# KiCad board sbc.kicad_pcb (continued)
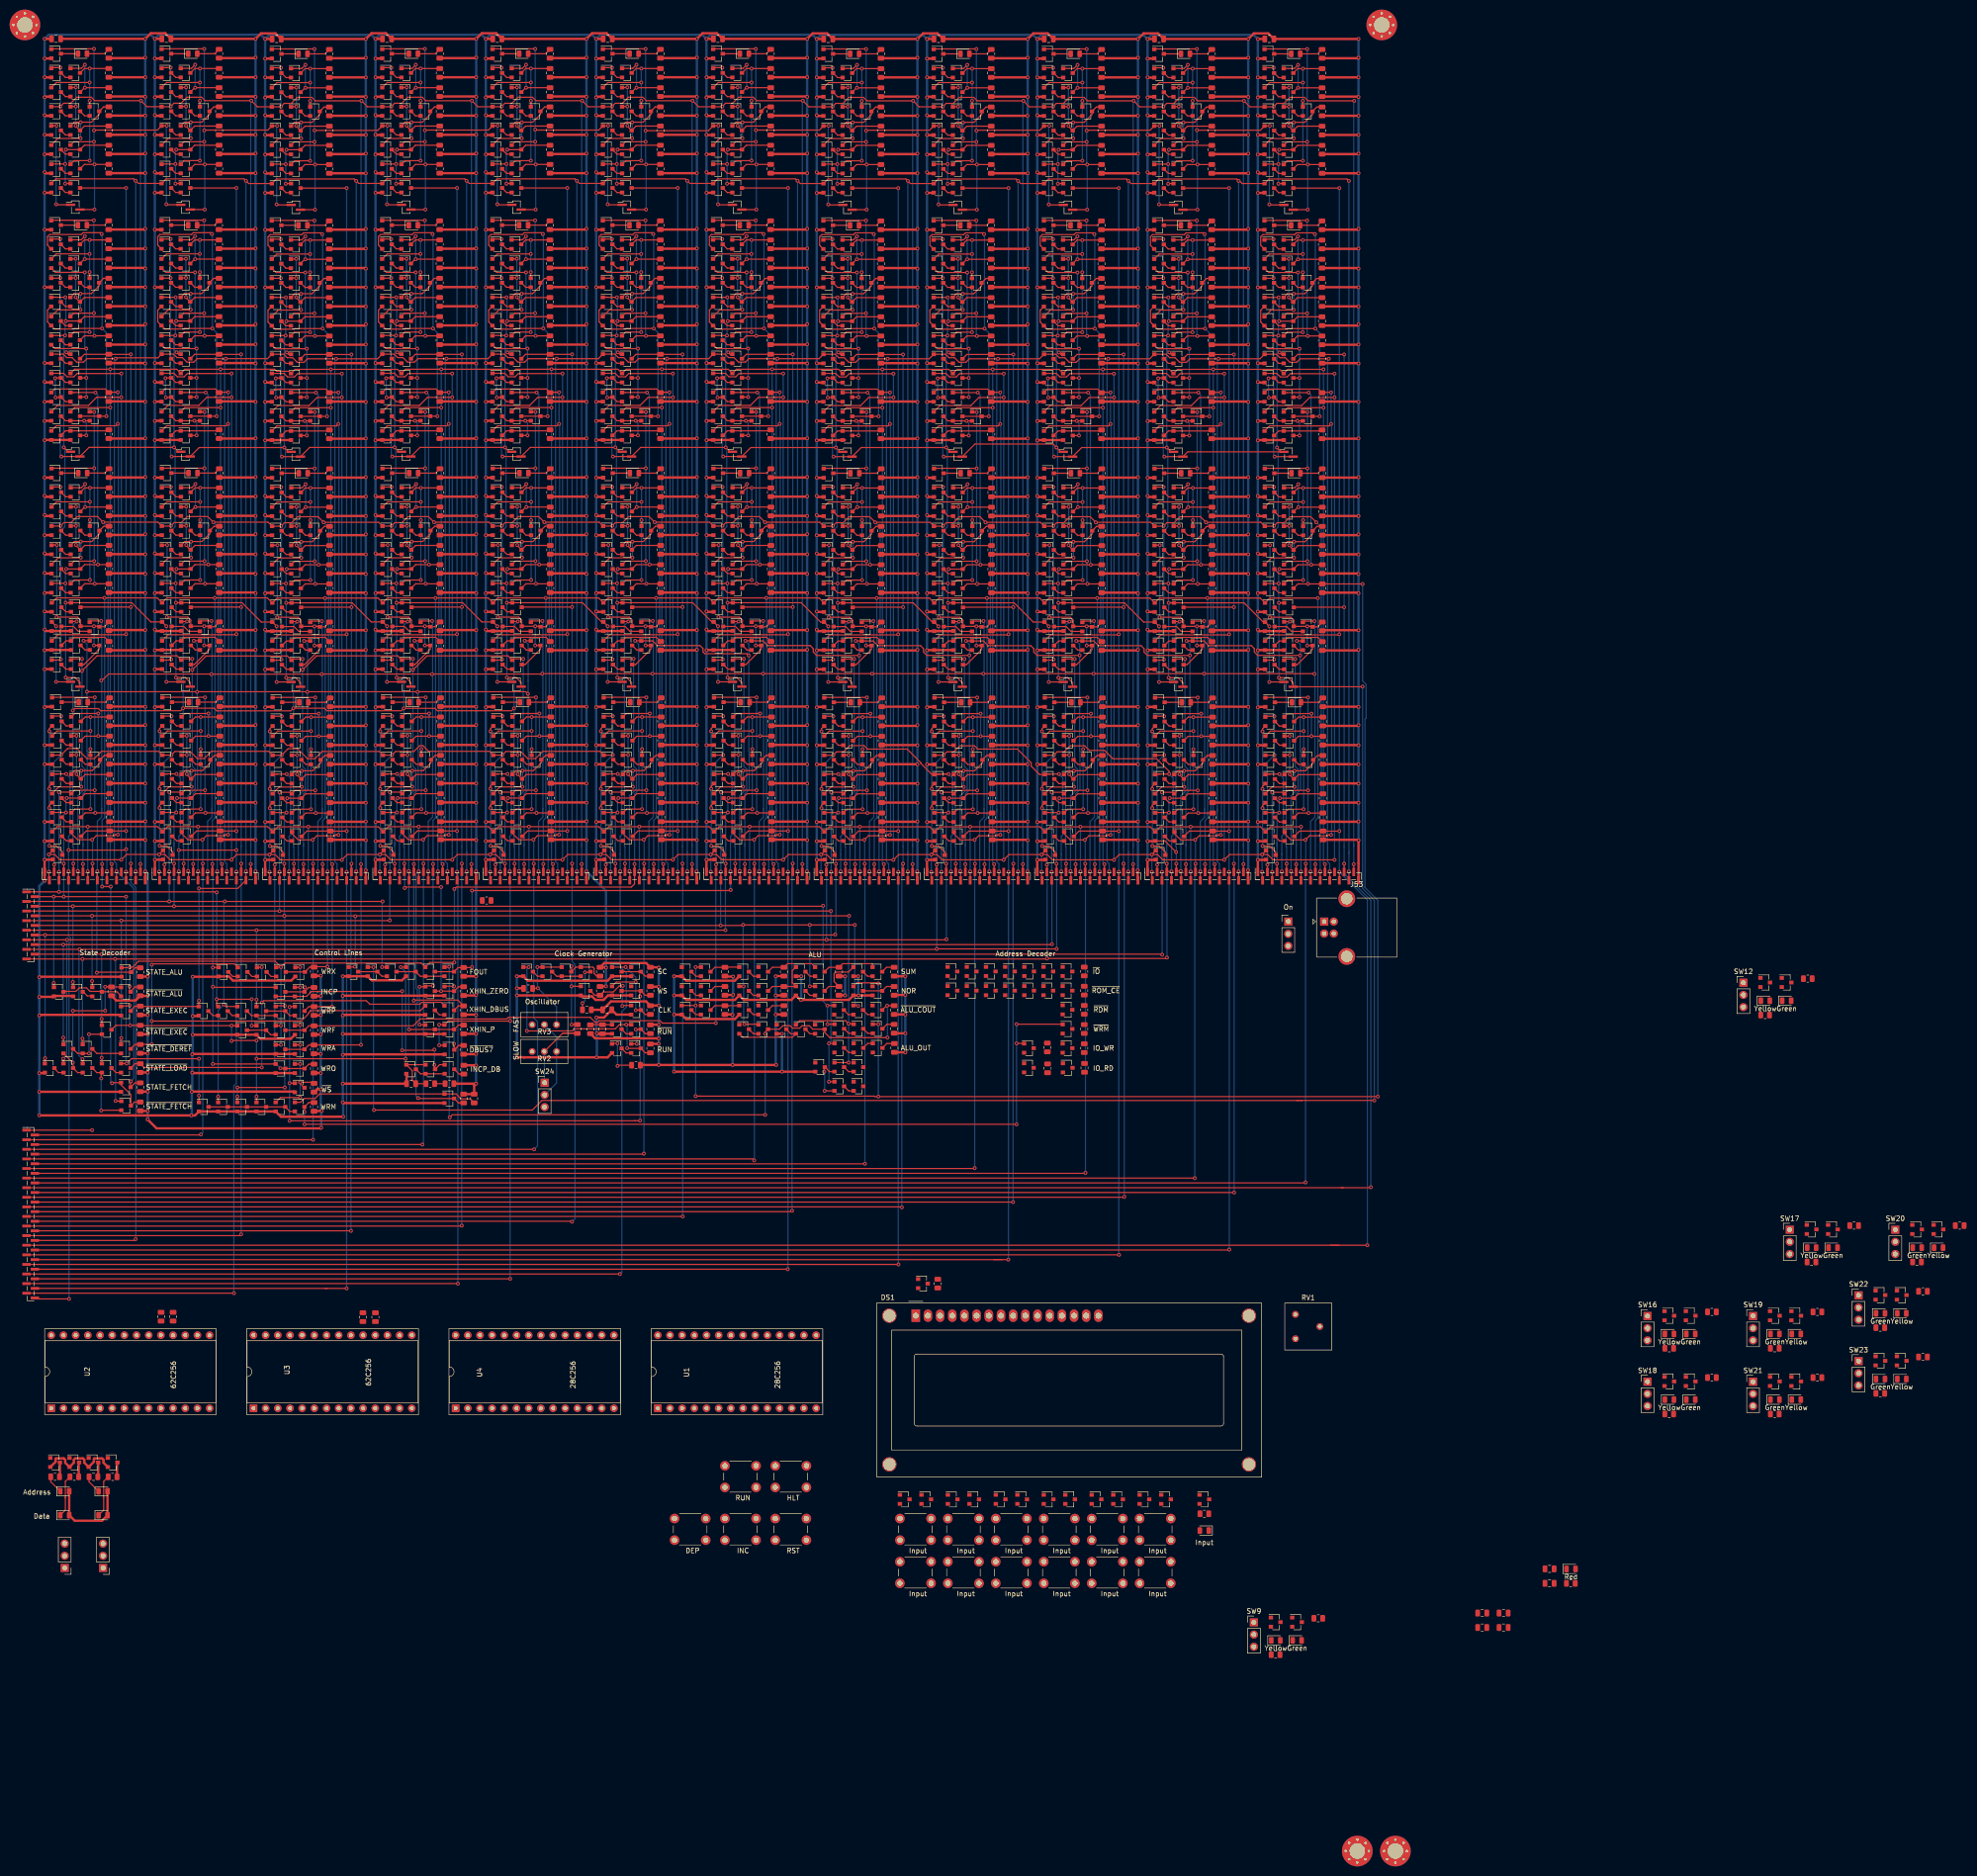
[diagram p0: board, top side]
## Routing (per net, layer and track width the routed paths; a pad name or vN(x,y) marks a point on that pad's centre or on a via; arc(x,y) is an arc through that point) (continued)
RDX_ABUS: length 1130.1
  Top w0.25: J4.13 v1(39.1,205.85) ; J17.13 v1(108.12,205.85) ; J13.13 v1(85.12,205.85) ; J9.13 v1(62.1,205.82) ; J21.13 v1(131.15,205.85) ; J29.13 v1(177.15,205.82) ; J37.13 v1(223.15,205.82) ; J33.13 v1(200.15,205.82) ; J45.13 v1(269.15,205.82) ; v1(269.65,261.32) 259.65,261.32 Q1055.1 257.65,261.32 v1(246.65,261.32) 236.65,261.32 Q972.1 234.65,261.32 v1(223.65,261.32) 213.65,261.32 Q889.1 211.65,261.32 v1(200.65,261.32) 190.65,261.32 Q806.1 188.65,261.32 v1(177.65,261.32) 167.65,261.32 Q723.1 165.62,261.35 v1(154.65,261.35) 144.65,261.35 143.65,260.35 142.65,261.35 v1(131.65,261.35) 121.65,261.35 120.65,260.35 119.65,261.35 v1(108.62,261.35) 98.62,261.35 97.62,260.35 96.62,261.35 v1(85.62,261.35) 75.62,261.35 74.62,260.35 73.65,261.32 v1(62.6,261.32) 52.6,261.32 Q308.1 50.57,261.35 v1(39.6,261.35) 29.6,261.35 Q109.1 27.6,261.35 v1(16.6,261.35) 6.6,261.35 Q27.1 ; J25.13 v1(154.15,205.85) ; J41.13 v1(246.15,205.82) ; v1(39.2,180.25) 39.3,180.15 Q195.1 ; R70.2 22.86,156.21 Q170.3 22.1,157.74 20.05,159.79 Q183.1 18.27,160.25 v1(18.17,160.15) ; Q190.1 82.35,172.3 v1(82.3,172.35) ; v1(85.1,180.45) 83.65,180.45 Q187.1 83.45,180.25 v1(82.3,180.25) ; J1.13 v1(16.1,205.85) ; v1(39.2,184.25) 39.25,184.3 Q210.1 ; v1(39.2,164.15) Q185.1 ; v1(17.9,201.15) v1(16.1,201.15)
  Bottom w0.25: v1(39.6,261.35) 39.63,261.32 39.63,216.52 ; 39.63,216.52 39.63,215.5 39.1,214.98 v1(39.1,205.85) 39.2,205.75 v1(39.2,184.25) v1(39.2,180.25) v1(39.2,164.15) ; 39.63,216.52 39.63,216.18 ; v1(108.62,261.35) 108.65,261.32 108.65,216.52 ; 108.65,216.52 108.65,215.5 108.12,214.97 v1(108.12,205.85) ; 108.65,216.52 108.65,216.17 ; v1(85.62,261.35) 85.65,261.32 85.65,216.52 ; 85.65,216.52 85.65,215.5 85.12,214.97 v1(85.12,205.85) 85.12,180.48 v1(85.1,180.45) ; 85.65,216.52 85.65,216.17 ; v1(62.6,261.32) 62.63,261.29 62.63,216.49 ; 62.63,216.49 62.63,215.47 62.1,214.95 v1(62.1,205.82) ; 62.63,216.49 62.63,216.15 ; 131.68,216.52 131.68,261.32 v1(131.65,261.35) ; 131.68,216.52 131.68,215.5 131.15,214.97 v1(131.15,205.85) ; 131.68,216.52 131.68,216.17 ; 269.68,216.49 269.68,215.47 269.15,214.95 v1(269.15,205.82) ; 269.68,216.49 269.68,216.15 ; 269.68,216.49 269.68,261.29 v1(269.65,261.32) ; v1(154.15,205.85) 154.15,214.97 154.68,215.5 154.68,216.52 ; 177.68,216.15 177.68,216.49 ; 177.68,216.49 177.68,215.47 177.15,214.95 v1(177.15,205.82) ; 177.68,216.49 177.68,261.29 v1(177.65,261.32) ; 223.68,216.49 223.68,261.29 v1(223.65,261.32) ; 223.68,216.49 223.68,215.47 223.15,214.95 v1(223.15,205.82) ; 223.68,216.49 223.68,216.15 ; 246.68,216.49 246.68,261.29 v1(246.65,261.32) ; 246.68,216.49 246.68,215.47 246.15,214.95 v1(246.15,205.82) ; 246.68,216.49 246.68,216.15 ; 200.68,216.15 200.68,216.49 ; 200.68,216.49 200.68,215.47 200.15,214.95 v1(200.15,205.82) ; 200.68,216.49 200.68,261.29 v1(200.65,261.32) ; 154.68,216.52 154.68,216.17 ; 154.68,216.52 154.68,261.32 v1(154.65,261.35) ; v1(17.9,201.15) 17.9,160.43 v1(18.17,160.15) ; v1(16.6,261.35) 16.63,261.32 16.63,216.52 ; v1(82.3,172.35) v1(82.3,180.25) ; v1(16.1,201.15) v1(16.1,205.85) 16.1,214.98 16.63,215.5 16.63,216.52 ; 16.63,216.52 16.63,216.18
RUN: length 47.1
  Top w0.25: R101.2 129.36,166.49 Q237.3 125.65,167.4 v1(125.6,167.45) ; Q236.1 v1(125.4,172.35) 124,172.35 123.12,171.47 114.61,171.47 114.19,171.05 v1(104.7,171.05) ; Q235.1 v1(105.1,184.35)
  Bottom w0.25: v1(125.6,167.45) 125.6,172.15 v1(125.4,172.35) ; v1(104.7,171.05) 104.7,183.95 v1(105.1,184.35)
S0: length 342.3
  Top w0.25: v1(237.15,220.82) 239.42,220.82 Q1022.1 240.4,221.22 v1(244.61,221.22) ; Q1021.1 235.79,240.61 244.58,240.61 v1(244.61,240.58) ; Q1017.3 242.62,216.49 v1(244.72,216.49) R422.2 ; v1(237.15,204.22) J41.4 ; v1(16,165.45) 16.05,165.4 Q171.1 ; Q173.1 16.05,173.5 v1(16,173.55) ; J49.14 v1(16,187.05) 237.1,187.05 v1(237.2,186.95)
  Bottom w0.25: v1(237.15,220.82) v1(237.15,204.22) 237.2,204.17 v1(237.2,186.95) ; v1(244.61,240.58) v1(244.61,221.22) 244.61,216.61 v1(244.72,216.49) ; v1(16,165.45) v1(16,173.55) v1(16,187.05)
S1: length 314.8
  Top w0.25: R388.2 v1(221.72,216.49) 219.62,216.49 Q934.3 ; v1(214.15,220.82) 216.42,220.82 Q939.1 217.4,221.22 v1(221.61,221.22) ; v1(221.61,240.58) 221.58,240.61 212.79,240.61 Q938.1 ; v1(214.15,204.22) J37.4 ; v1(8,169.65) 8.05,169.6 Q174.1 ; v1(214.2,189.15) 214.1,189.05 v1(8,189.05) J49.12
  Bottom w0.25: v1(214.15,220.82) 214.15,205.2 ; v1(221.72,216.49) 221.61,216.61 v1(221.61,221.22) v1(221.61,240.58) ; 214.15,205.2 v1(214.15,204.22) ; 214.15,205.2 214.2,205.15 v1(214.2,189.15) ; v1(8,169.65) v1(8,189.05)
SC: length 43.7
  Top w0.25: J41.3 v1(236.15,205.72) ; v1(237.61,228.58) 237.56,228.53 Q1028.1 ; Q1025.1 235.86,236.68 v1(237.61,236.68) ; R92.2 129.36,182.49 Q227.3 Q226.3
  Bottom w0.25: 236.15,209.72 236.15,224.17 236.08,224.23 236.08,227.06 v1(237.61,228.58) v1(237.61,236.68) ; 236.15,209.72 v1(236.15,205.72) ; 236.15,209.72 236.15,209.42
STATE_ALU: length 979.5
  Top w0.25: Q106.1 36.75,256.55 v1(38.9,256.55) ; v1(38.1,204.35) J4.12 38.1,201.86 ; Q471.1 105.78,256.55 v1(107.93,256.55) ; J17.12 v1(107.12,204.35) ; Q388.1 82.78,256.55 v1(84.92,256.55) ; J13.12 v1(84.12,204.35) ; Q305.1 59.75,256.52 v1(61.9,256.52) ; J9.12 v1(61.1,204.32) ; Q1052.1 266.8,256.52 v1(268.95,256.52) ; J33.12 v1(199.15,204.32) ; v1(176.95,256.52) 174.8,256.52 Q720.1 ; Q886.1 220.8,256.52 v1(222.95,256.52) ; J37.12 v1(222.15,204.32) ; v1(199.95,256.52) 197.8,256.52 Q803.1 ; J25.12 v1(153.15,204.35) ; v1(153.95,256.55) 151.8,256.55 Q637.1 ; Q554.1 128.8,256.55 v1(130.95,256.55) ; J41.12 v1(245.15,204.32) ; Q969.1 243.8,256.52 v1(245.95,256.52) ; J29.12 v1(176.15,204.32) ; J45.12 v1(268.15,204.32) ; J21.12 v1(130.15,204.35) ; 154.1,245.55 v1(107.9,245.55) 107.82,245.47 84.98,245.47 v1(84.93,245.41) 84.87,245.47 61.91,245.47 v1(61.9,245.46) 61.89,245.45 38.91,245.45 v1(38.9,245.44) 38.86,245.48 17.43,245.48 16.1,244.15 v1(15.9,244.15) ; 154.1,245.55 v1(153.95,245.55) ; 154.1,245.55 v1(176.7,245.55) 268.91,245.55 v1(268.95,245.51) ; v1(15,183.2) 15.1,183.3 Q177.3 ; J1.12 v1(15.1,204.35) ; 22.05,183.3 22.96,184.21 R75.2 ; v1(15.9,256.55) 13.75,256.55 Q24.1
  Bottom w0.25: v1(38.9,256.55) 39.01,256.44 39.01,217.46 ; v1(38.1,204.35) 38.1,214.75 39.01,215.66 39.01,217.46 ; 39.01,217.46 39.01,216.76 ; v1(107.93,256.55) 108.04,256.43 108.04,246.01 ; v1(107.12,204.35) 107.12,214.75 108.04,215.66 108.04,217.46 ; 108.04,217.46 108.04,216.76 ; 108.04,217.46 108.04,246.01 ; v1(84.92,256.55) 85.04,256.43 85.04,217.46 ; v1(84.12,204.35) 84.12,214.75 85.04,215.66 85.04,217.46 ; 85.04,217.46 85.04,216.76 ; v1(61.9,256.52) 62.01,256.41 62.01,217.43 ; v1(61.1,204.32) 61.1,214.72 62.01,215.63 62.01,217.43 ; 62.01,217.43 62.01,216.73 ; 131.06,216.76 131.06,217.46 ; 131.06,217.46 131.06,215.66 130.15,214.75 v1(130.15,204.35) ; 131.06,217.46 131.06,245.59 ; v1(130.95,256.55) 131.06,256.43 131.06,245.59 ; v1(268.95,256.52) 269.06,256.41 269.06,217.43 ; v1(153.15,204.35) 153.15,214.75 154.06,215.66 154.06,217.46 ; v1(199.15,204.32) 199.15,214.72 200.06,215.63 200.06,217.43 ; 223.06,216.73 223.06,217.43 ; 223.06,217.43 223.06,215.63 222.15,214.72 v1(222.15,204.32) ; 223.06,217.43 223.06,245.71 ; v1(222.95,256.52) 223.06,256.41 223.06,245.71 ; 200.06,216.73 200.06,217.43 ; 200.06,217.43 200.06,245.71 ; v1(199.95,256.52) 200.06,256.41 200.06,245.71 ; 154.06,216.76 154.06,217.46 ; 154.06,217.46 154.06,256.43 v1(153.95,256.55) ; 177.06,217.43 177.06,215.63 176.15,214.72 v1(176.15,204.32) ; 177.06,217.43 177.06,216.73 ; 177.06,217.43 177.06,245.41 ; v1(176.95,256.52) 177.06,256.41 177.06,245.41 ; 269.06,217.43 269.06,216.73 ; 269.06,217.43 269.06,215.63 268.15,214.72 v1(268.15,204.32) ; v1(245.15,204.32) 245.15,214.72 246.06,215.63 246.06,217.43 ; v1(245.95,256.52) 246.06,256.41 246.06,245.51 ; 246.06,216.73 246.06,217.43 ; 246.06,217.43 246.06,245.51 ; 131.06,245.59 130.94,245.59 v1(130.9,245.55) ; 200.06,245.71 v1(199.9,245.55) ; 177.06,245.41 176.84,245.41 v1(176.7,245.55) ; 108.04,246.01 107.9,245.88 v1(107.9,245.55) ; 16.01,217.46 16.01,215.66 15.1,214.75 v1(15.1,204.35) 15,204.25 v1(15,183.2) ; 16.01,217.46 16.01,244.24 ; 16.01,217.46 16.01,216.76 ; 223.06,245.71 v1(222.9,245.55) ; v1(245.95,245.55) 245.99,245.51 246.06,245.51 ; 16.01,244.24 15.99,244.24 v1(15.9,244.15) ; 16.01,244.24 16.01,256.44 v1(15.9,256.55)
WRA: length 2403.1
  Top w0.25: Q97.1 28.65,371.95 v1(30.4,371.95) ; J4.21 v1(47.1,205.85) ; Q462.1 97.68,371.95 v1(99.43,371.95) ; J17.21 v1(116.12,205.85) ; Q379.1 74.67,371.95 v1(76.42,371.95) ; J13.21 v1(93.12,205.85) ; Q296.1 51.65,371.92 v1(53.4,371.92) ; J9.21 v1(70.1,205.82) ; Q1043.1 258.7,371.92 v1(260.45,371.92) ; J45.21 v1(277.15,205.82) ; Q960.1 235.7,371.92 v1(237.45,371.92) ; J25.21 v1(162.15,205.85) ; Q628.1 143.7,371.95 v1(145.45,371.95) ; v1(168.45,371.92) 166.7,371.92 Q711.1 ; Q877.1 212.7,371.92 v1(214.45,371.92) ; Q794.1 189.7,371.92 v1(191.45,371.92) ; J37.21 v1(231.15,205.82) ; J33.21 v1(208.15,205.82) ; Q545.1 120.7,371.95 v1(122.45,371.95) ; v1(277.25,365.02) 267.62,365.02 266.9,365.75 263.86,365.75 262.61,364.5 261.12,364.5 v1(260.45,363.82) 260.4,363.77 Q1046.1 255.5,363.77 v1(254.25,365.02) 244.62,365.02 243.9,365.75 240.86,365.75 239.61,364.5 238.12,364.5 v1(237.45,363.82) 237.4,363.77 Q963.1 232.5,363.77 v1(231.25,365.02) 221.62,365.02 220.9,365.75 217.86,365.75 216.61,364.5 215.12,364.5 v1(214.45,363.82) 214.4,363.77 Q880.1 209.5,363.77 v1(208.25,365.02) 198.62,365.02 197.9,365.75 194.86,365.75 193.61,364.5 192.12,364.5 v1(191.45,363.82) 191.4,363.77 Q797.1 186.5,363.77 v1(185.25,365.02) 175.62,365.02 174.9,365.75 171.86,365.75 170.61,364.5 169.12,364.5 v1(168.45,363.82) 168.4,363.77 Q714.1 163.53,363.77 v1(162.25,365.05) 152.62,365.05 151.9,365.77 148.86,365.77 147.61,364.52 146.12,364.52 v1(145.45,363.85) 145.4,363.8 Q631.1 140.5,363.8 v1(139.25,365.05) 129.62,365.05 128.9,365.77 125.86,365.77 124.61,364.52 123.12,364.52 v1(122.45,363.85) 122.4,363.8 Q548.1 117.47,363.8 v1(116.22,365.05) 106.6,365.05 105.87,365.77 102.84,365.77 101.59,364.52 100.1,364.52 v1(99.43,363.85) 99.37,363.8 Q465.1 94.47,363.8 v1(93.22,365.05) 83.6,365.05 82.87,365.77 79.84,365.77 78.59,364.52 77.1,364.52 v1(76.42,363.85) 76.37,363.8 Q382.1 71.42,363.8 v1(70.2,365.02) 60.57,365.02 59.85,365.75 56.81,365.75 55.56,364.5 54.07,364.5 v1(53.4,363.82) 53.35,363.77 Q299.1 48.48,363.77 v1(47.2,365.05) 37.57,365.05 36.85,365.78 33.81,365.78 32.56,364.53 31.07,364.53 v1(30.4,363.85) 30.35,363.8 Q100.1 25.45,363.8 v1(24.2,365.05) 14.57,365.05 13.85,365.78 10.81,365.78 9.56,364.53 8.07,364.53 v1(7.4,363.85) 7.35,363.8 Q17.1 ; J41.21 v1(254.15,205.82) ; J21.21 v1(139.15,205.85) ; J29.21 v1(185.15,205.82) ; Q193.3 Q194.3 59.21,168.11 R83.2 70.06,168.11 v1(70.1,168.15) ; v1(7.4,371.95) 5.65,371.95 Q14.1 ; J1.21 v1(24.1,205.85)
  Bottom w0.25: v1(30.4,363.85) v1(30.4,371.95) ; v1(47.2,365.05) 47.1,364.95 47.1,210.05 ; v1(47.1,205.85) 47.1,210.05 ; 47.1,210.05 47.1,209.45 ; v1(99.43,363.85) v1(99.43,371.95) ; v1(116.22,365.05) 116.12,364.95 116.12,210.05 ; v1(116.12,205.85) 116.12,210.05 ; 116.12,210.05 116.12,209.45 ; v1(76.42,363.85) v1(76.42,371.95) ; v1(93.22,365.05) 93.12,364.95 93.12,210.05 ; v1(93.12,205.85) 93.12,210.05 ; 93.12,210.05 93.12,209.45 ; v1(53.4,363.82) v1(53.4,371.92) ; v1(70.2,365.02) 70.1,364.92 70.1,210.02 ; 70.1,210.02 v1(70.1,205.82) v1(70.1,168.15) ; 70.1,210.02 70.1,209.42 ; v1(277.25,365.02) 277.15,364.92 277.15,210.02 ; v1(260.45,363.82) v1(260.45,371.92) ; v1(277.15,205.82) 277.15,210.02 ; 277.15,210.02 277.15,209.42 ; v1(237.45,363.82) v1(237.45,371.92) ; 162.15,209.45 162.15,210.05 ; 162.15,210.05 v1(162.15,205.85) ; 162.15,210.05 162.15,364.95 v1(162.25,365.05) ; v1(145.45,363.85) v1(145.45,371.95) ; v1(139.25,365.05) 139.15,364.95 139.15,210.05 ; v1(122.45,363.85) v1(122.45,371.95) ; 185.15,209.42 185.15,210.02 ; 185.15,210.02 v1(185.15,205.82) ; 185.15,210.02 185.15,364.92 v1(185.25,365.02) ; 231.15,209.42 231.15,210.02 ; 231.15,210.02 v1(231.15,205.82) ; 231.15,210.02 231.15,364.92 v1(231.25,365.02) ; v1(208.15,205.82) 208.15,210.02 ; 208.15,210.02 208.15,364.92 v1(208.25,365.02) ; 208.15,210.02 208.15,209.42 ; 139.15,209.45 139.15,210.05 ; 139.15,210.05 v1(139.15,205.85) ; v1(254.25,365.02) 254.15,364.92 254.15,210.02 ; 254.15,210.02 254.15,209.42 ; 254.15,210.02 v1(254.15,205.82) ; v1(168.45,363.82) v1(168.45,371.92) ; v1(214.45,363.82) v1(214.45,371.92) ; v1(191.45,363.82) v1(191.45,371.92) ; 24.1,209.45 24.1,210.05 ; 24.1,210.05 24.1,364.95 v1(24.2,365.05) ; 24.1,210.05 v1(24.1,205.85) ; v1(7.4,363.85) v1(7.4,371.95)
WRF: length 162.1
  Top w0.25: v1(145.61,228.61) 145.56,228.56 Q696.1 ; v1(145.61,236.71) 143.86,236.71 Q693.1 ; J25.3 v1(144.15,205.75) ; v1(144.1,172.67) 132.95,172.67 132.45,173.18 119.74,173.18 119.4,172.84 118.95,172.84 117.91,173.88 100.85,173.88 100.53,173.55 82.43,173.55 80.99,172.11 R87.2 59.21,172.11 Q200.3 Q199.3
  Bottom w0.25: 144.15,209.75 144.15,224.19 144.09,224.26 144.09,227.08 v1(145.61,228.61) v1(145.61,236.71) ; 144.15,209.75 v1(144.15,205.75) 144.1,205.7 v1(144.1,172.67) ; 144.15,209.75 144.15,209.45
WRM: length 186.7
  Top w0.25: v1(58.3,151.58) 206.8,151.58 v1(206.82,151.55) ; Q1118.1 208.35,168.45 v1(206.82,168.45) ; v1(58.3,154.15) Q218.3 59.21,156.11 R91.2 ; v1(206.82,172.45) 216.4,172.45 Q1115.1
  Bottom w0.25: v1(206.82,151.55) v1(206.82,168.45) v1(206.82,172.45) ; v1(58.3,154.15) v1(58.3,151.58)
WRO: length 390.2
  Top w0.25: Q82.1 7.51,228.56 v1(7.56,228.61) 8.88,229.93 10.85,229.93 12.95,227.84 14.45,227.84 15.98,229.36 27.86,229.36 Q165.1 30.51,228.56 v1(30.56,228.61) 31.28,229.34 34.45,229.34 35.95,227.84 37.37,227.84 38.9,229.36 50.83,229.36 Q364.1 53.51,228.53 v1(53.56,228.58) 54.88,229.9 56.85,229.9 58.95,227.81 60.45,227.81 61.98,229.33 73.91,229.33 Q447.1 76.53,228.56 v1(76.59,228.61) 77.31,229.33 81.14,229.33 82.34,230.53 83.03,230.53 84.21,229.36 96.88,229.36 Q530.1 99.53,228.56 v1(99.59,228.61) 100.31,229.33 103.4,229.33 104.9,227.83 106.47,227.83 108,229.36 119.91,229.36 Q613.1 122.56,228.56 v1(122.61,228.61) 122.61,228.74 ; Q79.1 5.81,236.71 v1(7.56,236.71) ; Q162.1 28.81,236.71 v1(30.56,236.71) ; J4.3 v1(29.1,205.75) ; Q527.1 97.84,236.71 v1(99.59,236.71) ; J17.3 v1(98.12,205.75) ; Q444.1 74.84,236.71 v1(76.59,236.71) ; J13.3 v1(75.12,205.75) ; Q361.1 51.81,236.68 v1(53.56,236.68) ; J9.3 v1(52.1,205.72) ; Q610.1 120.86,236.71 v1(122.61,236.71) ; J21.3 v1(121.15,205.75) ; J1.3 v1(6.1,205.75) ; v1(53.3,163.25) 53.35,163.2 Q185.3 Q186.3 59.21,164.11 R79.2
  Bottom w0.25: v1(7.56,236.71) v1(7.56,228.61) 6.03,227.09 6.03,224.26 6.1,224.2 6.1,209.75 ; v1(30.56,236.71) v1(30.56,228.61) 29.03,227.09 29.03,224.26 29.1,224.2 29.1,209.75 ; 29.1,209.75 v1(29.1,205.75) ; 29.1,209.75 29.1,209.45 ; v1(99.59,236.71) v1(99.59,228.61) 98.06,227.08 98.06,224.26 98.12,224.19 98.12,209.75 ; 98.12,209.75 v1(98.12,205.75) ; 98.12,209.75 98.12,209.45 ; v1(76.59,236.71) v1(76.59,228.61) 75.06,227.08 75.06,224.26 75.12,224.19 75.12,209.75 ; 75.12,209.75 v1(75.12,205.75) ; 75.12,209.75 75.12,209.45 ; v1(53.56,236.68) v1(53.56,228.58) 52.03,227.06 52.03,224.23 52.1,224.17 52.1,209.72 ; 52.1,209.72 v1(52.1,205.72) 52.1,164.45 v1(53.3,163.25) ; 52.1,209.72 52.1,209.42 ; 121.15,209.45 121.15,209.75 ; 121.15,209.75 v1(121.15,205.75) ; 121.15,209.75 121.15,224.19 121.09,224.26 121.09,227.08 v1(122.61,228.61) v1(122.61,236.71) ; v1(6.1,205.75) 6.1,209.75 ; 6.1,209.75 6.1,209.45
WRX: length 1335.2
  Top w0.25: Q41.1 7.4,276.34 v1(7.45,276.39) 8.12,277.07 9.62,277.07 10.87,278.32 15.13,278.32 v1(16.3,277.15) 27.74,277.15 Q124.1 30.4,276.34 v1(30.45,276.39) 31.12,277.07 32.62,277.07 33.87,278.32 38.13,278.32 v1(39.3,277.15) 50.71,277.15 Q323.1 53.4,276.31 v1(53.45,276.36) 54.12,277.04 55.62,277.04 56.87,278.29 61.13,278.29 v1(62.3,277.12) 73.79,277.12 74.58,276.34 76.42,276.34 v1(76.47,276.39) 77.15,277.06 78.64,277.06 79.89,278.31 84.16,278.31 v1(85.33,277.15) 96.76,277.15 97.57,276.34 99.42,276.34 v1(99.47,276.39) 100.15,277.06 101.64,277.06 102.89,278.31 107.16,278.31 v1(108.32,277.15) 119.79,277.15 120.6,276.34 122.45,276.34 v1(122.5,276.39) 123.17,277.06 124.67,277.06 125.92,278.31 130.18,278.31 v1(131.35,277.15) 142.79,277.15 143.6,276.34 145.45,276.34 v1(145.5,276.39) 146.17,277.06 147.67,277.06 148.92,278.31 153.18,278.31 v1(154.35,277.15) 165.76,277.15 Q738.1 168.45,276.31 v1(168.5,276.36) 169.17,277.04 170.67,277.04 171.92,278.29 176.18,278.29 v1(177.35,277.12) 188.79,277.12 Q821.1 191.45,276.31 v1(191.5,276.36) 192.17,277.04 193.67,277.04 194.92,278.29 199.18,278.29 v1(200.35,277.12) 211.79,277.12 Q904.1 214.45,276.31 v1(214.5,276.36) 215.17,277.04 216.67,277.04 217.92,278.29 222.18,278.29 v1(223.35,277.12) 234.79,277.12 Q987.1 237.45,276.31 v1(237.5,276.36) 238.17,277.04 239.67,277.04 240.92,278.29 245.18,278.29 v1(246.35,277.12) 257.79,277.12 Q1070.1 260.45,276.31 v1(260.5,276.36) 261.17,277.04 262.67,277.04 263.92,278.29 268.18,278.29 v1(269.35,277.12) ; Q38.1 5.7,284.49 v1(7.45,284.49) ; Q121.1 28.7,284.49 v1(30.45,284.49) ; J4.14 v1(40.1,204.35) ; Q486.1 97.72,284.49 v1(99.47,284.49) ; J17.14 v1(109.12,204.35) ; Q403.1 74.72,284.49 v1(76.47,284.49) ; J13.14 v1(86.12,204.35) ; Q320.1 51.7,284.46 v1(53.45,284.46) ; J9.14 v1(63.1,204.32) ; J45.14 v1(270.15,204.32) ; Q1067.1 258.75,284.46 v1(260.5,284.46) ; J25.14 v1(155.15,204.35) ; v1(145.5,284.49) 143.75,284.49 Q652.1 ; v1(122.5,284.49) 120.75,284.49 Q569.1 ; J21.14 v1(132.15,204.35) ; Q901.1 212.75,284.46 v1(214.5,284.46) ; J33.14 v1(201.15,204.32) ; J41.14 v1(247.15,204.32) ; v1(237.5,284.46) 235.75,284.46 Q984.1 ; J37.14 v1(224.15,204.32) ; Q818.1 189.75,284.46 v1(191.5,284.46) ; v1(168.5,284.46) 166.75,284.46 Q735.1 ; J29.14 v1(178.15,204.32) ; Q201.3 Q202.3 59.41,184.36 R88.2 60.39,184.45 v1(63.1,184.45) ; J1.14 v1(17.1,204.35)
  Bottom w0.25: v1(7.45,276.39) v1(7.45,284.49) ; v1(30.45,276.39) v1(30.45,284.49) ; v1(39.3,277.15) 40.33,276.12 40.33,216.24 40.1,216.01 v1(40.1,204.35) ; v1(99.47,276.39) v1(99.47,284.49) ; v1(108.32,277.15) 109.35,276.12 109.35,216.23 109.12,216.01 v1(109.12,204.35) ; v1(76.47,276.39) v1(76.47,284.49) ; v1(85.33,277.15) 86.35,276.12 86.35,216.23 86.12,216.01 v1(86.12,204.35) ; v1(53.45,276.36) v1(53.45,284.46) ; v1(62.3,277.12) 63.33,276.09 63.33,216.21 63.1,215.98 v1(63.1,204.32) v1(63.1,184.45) ; v1(178.15,204.32) 178.15,215.98 178.38,216.21 178.38,276.09 v1(177.35,277.12) ; v1(168.5,276.36) v1(168.5,284.46) ; v1(224.15,204.32) 224.15,215.98 224.38,216.21 224.38,276.09 v1(223.35,277.12) ; v1(191.5,276.36) v1(191.5,284.46) ; v1(154.35,277.15) 155.38,276.12 155.38,216.23 155.15,216.01 v1(155.15,204.35) ; v1(132.15,204.35) 132.15,216.01 132.38,216.23 132.38,276.12 v1(131.35,277.15) ; v1(246.35,277.12) 247.38,276.09 247.38,216.21 247.15,215.98 v1(247.15,204.32) ; v1(237.5,276.36) v1(237.5,284.46) ; v1(122.5,276.39) v1(122.5,284.49) ; v1(270.15,204.32) 270.15,215.98 270.38,216.21 270.38,276.09 v1(269.35,277.12) ; v1(200.35,277.12) 201.38,276.09 201.38,216.21 201.15,215.98 v1(201.15,204.32) ; v1(260.5,276.36) v1(260.5,284.46) ; v1(145.5,276.39) v1(145.5,284.49) ; v1(214.5,276.36) v1(214.5,284.46) ; v1(17.1,204.35) 17.1,216.01 17.33,216.24 17.33,276.12 v1(16.3,277.15)
WS: length 132.8
  Top w0.25: R98.2 129.36,178.49 Q234.3 ; v1(128.3,152.35) 128.25,152.3 127.15,152.3 ; Q203.1 55.3,176.15 v1(55.2,176.05) ; v1(128.3,178.25) 128.3,179.25 Q234.3 ; 127.15,152.3 127.35,152.3 ; 127.15,152.3 v1(55.2,152.3) ; Q234.3 Q233.3 ; v1(55.2,160.15) Q198.1
  Bottom w0.25: v1(128.3,178.25) 128.33,178.22 128.33,152.38 v1(128.3,152.35) ; v1(55.2,152.3) v1(55.2,160.15) v1(55.2,176.05)
X0: length 377.9
  Top w0.25: v1(267.5,300.12) 266.6,300.12 Q1078.1 ; v1(267.5,288.36) 267.47,288.39 258.68,288.39 Q1063.1 ; v1(267.5,269) 263.29,269 Q1064.1 ; Q1059.3 265.51,264.27 v1(267.61,264.27) R440.2 278.98,264.27 v1(279,264.25) ; v1(139.9,157.45) 141,157.45 ; 141,157.45 177.1,157.45 177.2,157.35 v1(178,157.35) v1(282.18,157.35) ; 141,157.45 140.8,157.45 ; v1(139.9,176.35) Q247.1 ; v1(178,172.45) Q270.1 ; v1(178,180.95) 177.87,181.08 173.53,181.08 Q283.1 ; v1(139.9,184.35) Q251.1
  Bottom w0.25: v1(267.5,300.12) 267.5,288.93 v1(267.5,288.36) v1(267.5,269) 267.5,264.38 v1(267.61,264.27) ; v1(178,180.95) v1(178,172.45) v1(178,157.35) ; v1(139.9,157.45) v1(139.9,176.35) v1(139.9,184.35) ; v1(279,264.25) 279,244.05 279.73,243.32 279.73,236.28 279.5,236.05 279.5,201.05 279.45,201 282.18,198.28 v1(282.18,157.35)
X1: length 57.4
  Top w0.25: v1(244.5,300.12) 243.6,300.12 Q995.1 ; R406.2 v1(244.61,264.27) 242.51,264.27 Q976.3 ; Q981.1 240.29,269 v1(244.5,269) ; v1(244.5,288.36) 244.47,288.39 235.68,288.39 Q980.1
  Bottom w0.25: v1(244.5,300.12) 244.5,288.93 v1(244.5,288.36) v1(244.5,269) 244.5,264.38 v1(244.61,264.27)
XHIN_DBUS: length 387.9
  Top w0.25: Q103.1 36.48,252.42 v1(35.22,252.42) ; J4.9 v1(35.1,205.85) ; Q468.1 105.5,252.42 v1(104.25,252.42) ; J17.9 v1(104.12,205.85) ; Q385.1 82.5,252.42 v1(81.25,252.42) ; J13.9 v1(81.12,205.85) ; Q302.1 59.48,252.39 v1(58.22,252.39) ; J9.9 v1(58.1,205.82) ; v1(81.1,177.35) 81.23,177.48 90.29,177.48 R81.2 90.41,176.26 Q189.3 ; v1(12.94,241.79) 104.47,241.79 v1(104.9,241.36) ; v1(12.22,252.42) 13.48,252.42 Q21.1 ; J1.9 v1(12.1,205.85)
  Bottom w0.25: v1(35.22,252.42) 35.94,251.71 35.94,241.92 ; v1(35.1,205.85) 35.1,210.05 ; 35.1,210.05 35.1,220.51 36,221.41 36,229.4 35.94,229.46 35.94,241.92 ; 35.1,210.05 35.1,209.55 ; v1(104.25,252.42) 104.96,251.71 104.96,244.09 ; v1(104.12,205.85) 104.12,210.05 ; 104.12,210.05 104.12,220.51 105.03,221.41 105.03,229.39 104.96,229.46 104.96,241.41 ; 104.12,210.05 104.12,209.55 ; v1(81.25,252.42) 81.96,251.71 81.96,241.81 ; 81.12,210.05 v1(81.12,205.85) 81.1,205.82 v1(81.1,177.35) ; 81.12,210.05 81.12,220.51 82.03,221.41 82.03,229.39 81.96,229.46 81.96,241.81 ; 81.12,210.05 81.12,209.55 ; v1(58.22,252.39) 58.94,251.68 58.94,241.79 ; v1(58.1,205.82) 58.1,210.02 ; 58.1,210.02 58.1,220.48 59,221.38 59,229.37 58.94,229.43 58.94,241.79 ; 58.1,210.02 58.1,209.52 ; 104.96,244.09 104.96,241.41 ; 104.96,244.09 104.9,244.15 ; 58.94,241.79 v1(58.9,241.75) ; 104.96,241.41 104.95,241.41 v1(104.9,241.36) ; 12.1,210.05 12.1,220.51 13,221.41 13,229.4 12.94,229.46 v1(12.94,241.79) 12.94,251.71 v1(12.22,252.42) ; 12.1,210.05 12.1,209.55 ; 12.1,210.05 v1(12.1,205.85) ; 81.96,241.81 v1(81.9,241.75) ; v1(35.9,241.75) 35.94,241.79 35.94,241.92
XHIN_P: length 381.3
  Top w0.25: v1(34.9,248.65) 32.85,248.65 Q105.1 31.72,249.28 15.03,249.28 v1(11.9,246.15) ; v1(34.03,204.42) 34.1,204.35 J4.8 ; v1(103.93,248.65) 101.88,248.65 Q470.1 100.75,249.27 83.87,249.27 v1(80.92,246.33) ; v1(103.06,204.41) 103.12,204.35 J17.8 ; v1(80.92,248.65) 78.88,248.65 Q387.1 77.75,249.27 60.82,249.27 v1(57.9,246.35) ; v1(80.06,204.41) 80.12,204.35 J13.8 ; v1(57.9,248.62) 55.85,248.62 Q304.1 54.72,249.25 37.8,249.25 v1(34.9,246.35) ; v1(57.03,204.39) 57.1,204.32 J9.8 ; R82.2 90.41,172.26 Q191.3 Q190.3 v1(80.12,171.35) ; Q23.1 9.85,248.65 v1(11.9,248.65) ; v1(11.03,204.42) 11.1,204.35 J1.8
  Bottom w0.25: v1(34.03,204.42) 34.03,220.09 35.49,221.54 35.49,225.66 34.9,226.24 v1(34.9,246.35) v1(34.9,248.65) ; v1(103.93,248.65) 103.93,226.24 104.51,225.65 104.51,221.53 103.06,220.08 v1(103.06,204.41) ; v1(57.03,204.39) 57.03,220.06 58.49,221.51 58.49,225.63 57.9,226.21 v1(57.9,246.35) v1(57.9,248.62) ; v1(11.9,248.65) v1(11.9,246.15) 11.9,226.24 12.49,225.66 12.49,221.54 11.03,220.09 v1(11.03,204.42) ; v1(80.92,248.65) v1(80.92,246.33) 80.92,226.24 81.51,225.65 81.51,221.53 80.06,220.08 v1(80.06,204.41) 80.06,171.42 v1(80.12,171.35)
XHIN_ZERO: length 407.9
  Top w0.25: Q107.1 32.65,256.45 v1(33.8,256.45) ; J4.7 v1(33.1,205.95) ; Q472.1 101.68,256.45 v1(102.82,256.45) ; J17.7 v1(102.12,205.95) ; Q389.1 78.67,256.45 v1(79.83,256.45) ; J13.7 v1(79.12,205.95) ; Q306.1 55.65,256.42 v1(56.8,256.42) ; J9.7 v1(56.1,205.92) ; v1(10.8,256.45) 9.65,256.45 Q25.1 ; v1(9.99,237.88) 10.39,238.28 15.33,238.28 15.78,237.82 32.47,237.82 v1(33,238.35) 39.48,238.35 40.04,237.79 55.44,237.79 v1(56,238.35) 62.45,238.35 62.98,237.82 78.52,237.82 v1(79.03,238.33) 85.53,238.33 86.03,237.82 101.52,237.82 v1(102.03,238.33) ; Q187.3 v1(86.8,179.35) Q188.3 90.41,180.26 R80.2 ; J1.7 v1(10.1,205.95) ; v1(79.2,200.85) 79.4,201.05 v1(86.8,201.05)
  Bottom w0.25: v1(33.8,256.45) 33,255.65 v1(33,238.35) 33,209.55 33.1,209.45 v1(33.1,205.95) ; v1(102.82,256.45) 102.03,255.65 v1(102.03,238.33) 102.03,209.55 102.12,209.45 v1(102.12,205.95) ; v1(79.83,256.45) 79.03,255.65 v1(79.03,238.33) 79.03,209.55 79.12,209.45 v1(79.12,205.95) 79.2,205.87 v1(79.2,200.85) ; v1(56.8,256.42) 56,255.62 v1(56,238.35) 56,209.52 56.1,209.42 v1(56.1,205.92) ; 10,241.85 10,209.55 10.1,209.45 v1(10.1,205.95) ; 10,241.85 10,237.89 v1(9.99,237.88) ; 10,241.85 10,255.65 v1(10.8,256.45) ; v1(86.8,179.35) v1(86.8,201.05)
XLIN_DBUS: length 653.8
  Top w0.25: v1(219.27,252.39) 220.53,252.39 Q883.1 222.94,252.37 223.91,251.39 232.8,251.39 233.42,250.77 233.42,250.07 234.13,249.37 v1(242.99,249.37) ; J29.9 v1(173.15,205.82) ; J45.9 v1(265.15,205.82) ; v1(265.27,252.39) 266.53,252.39 Q1049.1 ; v1(242.27,252.39) 243.53,252.39 Q966.1 245.94,252.37 246.91,251.39 255.8,251.39 256.42,250.77 256.42,250.07 257.13,249.37 v1(265.99,249.37) ; v1(173.27,252.39) 174.53,252.39 Q717.1 176.94,252.37 177.91,251.39 186.8,251.39 187.42,250.77 187.42,250.07 188.13,249.37 v1(196.99,249.37) ; J41.9 v1(242.15,205.82) ; J25.9 v1(150.15,205.85) ; v1(127.27,252.42) 128.53,252.42 Q551.1 130.94,252.4 131.91,251.42 140.8,251.42 141.42,250.79 141.42,250.1 141.8,249.72 150.6,249.72 v1(150.99,249.34) ; v1(196.27,252.39) 197.53,252.39 Q800.1 199.94,252.37 200.91,251.39 209.8,251.39 210.42,250.77 210.42,250.07 211.13,249.37 v1(219.99,249.37) ; J33.9 v1(196.15,205.82) ; v1(127.15,205.85) J21.9 127.15,201.71 126.49,201.05 89.97,201.05 v1(89.57,200.65) ; J37.9 v1(219.15,205.82) ; v1(150.27,252.42) 151.53,252.42 Q634.1 153.94,252.4 154.91,251.42 163.77,251.42 164.42,250.77 164.42,250.07 165.15,249.35 173.97,249.35 v1(173.99,249.34) ; v1(53.4,168.15) Q193.1 ; v1(53.4,184.35) 52.45,184.35 Q201.1 ; v1(53.4,184.35) 54.25,185.2 82.65,185.2 Q213.1 84.47,185.33 v1(89.57,185.33) ; v1(53.4,184.35) 52.17,185.58 23.69,185.58 22.46,184.35 21.9,184.35 v1(21.85,184.3) 21.8,184.25 20.05,184.25 ; Q199.1 v1(53.4,172.15) ; R74.2 22.96,180.21 22.05,179.3 21.85,179.5 v1(21.85,180.35)